# Altium PCB host_board.PcbDoc (part 3 of 8) (continued)
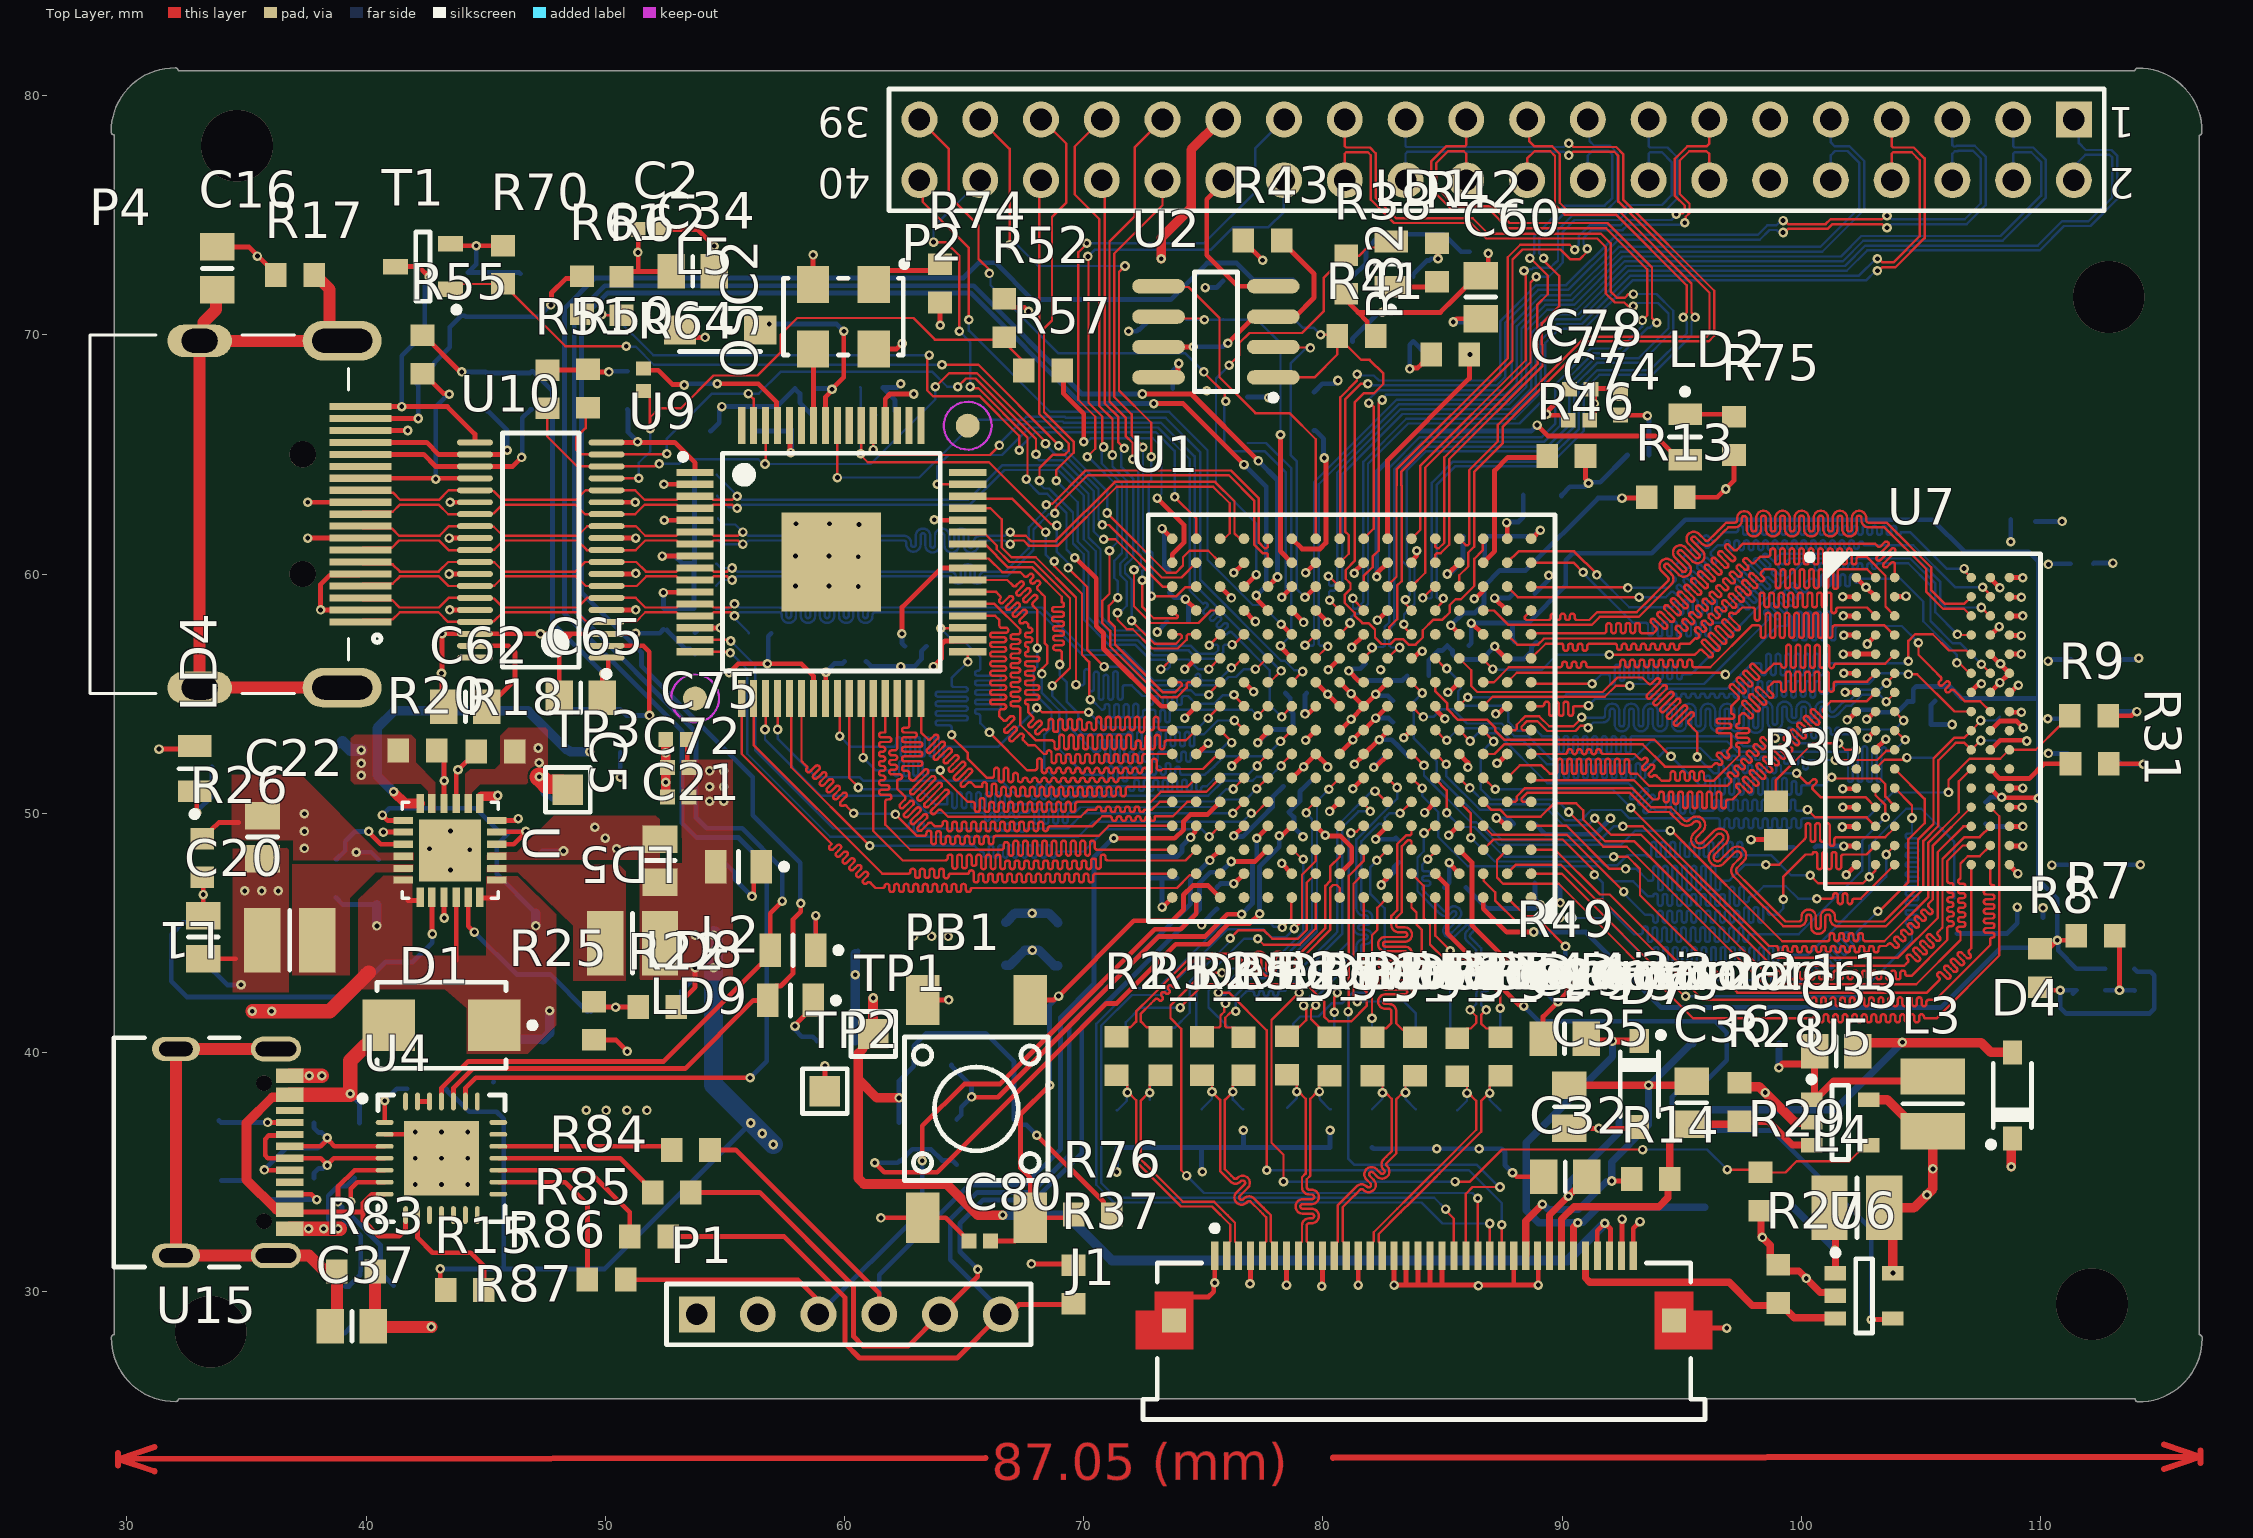
[diagram p0: Top Layer view]
## Nets (pads, with @x,y where several pads share a name; then routed paths per layer and width w, separated by ;. In a path a pad name is that pad's centre, name@x,y a point inside that pad or via, vN(x,y) a via of type N, cw(c..) or ccw(c..) an arc to the next point about the centre after c; other vN are vias at no path point) (continued)
DDR_A14: U1.F5 U7.T7 | length 34.9
  Top Layer w0.1: U1.F5@84.7,51.475 84.7,51.425 85.171,50.954 v1(85.171,50.011) ; v1(92.15,48.18) 92.74,48.18 93.254,47.666 93.254,46.571 97.325,42.5 105.251,42.5 105.75,43 ccw(c105.68,43.07) 105.75,43.141 105.71,43.181 cw(c105.781,43.252) 105.71,43.322 cw(c105.781,43.252) 105.852,43.322 105.962,43.212 106.066,43.108 ccw(c106.137,43.179) 106.207,43.108 ccw(c106.137,43.179) 106.207,43.25 106.104,43.353 105.993,43.464 cw(c106.064,43.534) 105.993,43.605 cw(c106.064,43.534) 106.135,43.605 106.245,43.495 106.349,43.391 ccw(c106.419,43.462) 106.49,43.391 ccw(c106.419,43.462) 106.49,43.533 106.387,43.636 106.276,43.747 cw(c106.347,43.817) 106.276,43.888 cw(c106.347,43.817) 106.418,43.888 106.528,43.778 106.632,43.674 ccw(c106.702,43.745) 106.773,43.674 ccw(c106.702,43.745) 106.773,43.816 106.67,43.919 106.559,44.029 cw(c106.63,44.1) 106.559,44.171 cw(c106.63,44.1) 106.7,44.171 106.811,44.06 106.914,43.957 ccw(c106.985,44.028) 107.056,43.957 ccw(c106.985,44.028) 107.056,44.098 107.023,44.131 cw(c107.094,44.202) 107.023,44.273 107.04,44.29 107.1,44.349 U7.T7@107.1,47.85
  Bottom Layer w0.1: v1(85.171,50.011) 85.757,49.425 86.335,49.425 87.58,48.18 v1(92.15,48.18)
DDR_BA0: U1.C3 U7.M2 | length 34.9
  Top Layer w0.1: U1.C3@86.7,48.475 87.125,48.9 90.025,48.9 91.35,47.575 v1(91.35,47.43) ; U7.M2@103.1,51.05 103.1,50.75 103.513,50.337 v1(103.513,49.825)
  Bottom Layer w0.1: v1(91.35,47.43) 91.7,47.08 91.7,46.25 93.009,44.941 93.275,44.941 ccw(c93.275,45.041) 93.375,45.041 93.375,45.166 cw(c93.475,45.166) 93.475,45.266 cw(c93.475,45.166) 93.575,45.166 93.575,44.941 93.575,44.716 ccw(c93.675,44.716) 93.675,44.616 ccw(c93.675,44.716) 93.775,44.716 93.775,44.941 93.775,45.126 cw(c93.875,45.126) 93.875,45.226 cw(c93.875,45.126) 93.975,45.126 93.975,44.941 93.975,44.716 ccw(c94.075,44.716) 94.075,44.616 ccw(c94.075,44.716) 94.175,44.716 94.175,44.941 94.175,45.126 cw(c94.275,45.126) 94.275,45.226 cw(c94.275,45.126) 94.375,45.126 94.375,44.941 94.375,44.716 ccw(c94.475,44.716) 94.475,44.616 ccw(c94.475,44.716) 94.575,44.716 94.575,44.941 94.575,45.126 cw(c94.675,45.126) 94.675,45.226 cw(c94.675,45.126) 94.775,45.126 94.775,44.941 94.775,44.716 ccw(c94.875,44.716) 94.875,44.616 ccw(c94.875,44.716) 94.975,44.716 94.975,44.941 94.975,45.126 cw(c95.075,45.126) 95.075,45.226 cw(c95.075,45.126) 95.175,45.126 95.175,44.941 95.175,44.716 ccw(c95.275,44.716) 95.275,44.616 ccw(c95.275,44.716) 95.375,44.716 95.375,44.941 95.375,45.126 cw(c95.475,45.126) 95.475,45.226 cw(c95.475,45.126) 95.575,45.126 95.575,44.941 95.575,44.716 ccw(c95.675,44.716) 95.675,44.616 ccw(c95.675,44.716) 95.775,44.716 95.775,44.941 95.775,45.126 cw(c95.875,45.126) 95.875,45.226 cw(c95.875,45.126) 95.975,45.126 95.975,44.941 95.975,44.716 ccw(c96.075,44.716) 96.075,44.616 ccw(c96.075,44.716) 96.175,44.716 96.175,44.941 96.175,45.126 cw(c96.275,45.126) 96.275,45.226 cw(c96.275,45.126) 96.375,45.126 96.375,44.941 96.375,44.716 ccw(c96.475,44.716) 96.475,44.616 ccw(c96.475,44.716) 96.575,44.716 96.575,44.941 96.575,45.126 cw(c96.675,45.126) 96.675,45.226 cw(c96.675,45.126) 96.775,45.126 96.775,44.941 96.775,44.716 ccw(c96.875,44.716) 96.875,44.616 ccw(c96.875,44.716) 96.975,44.716 96.975,44.941 96.975,45.126 cw(c97.075,45.126) 97.075,45.226 cw(c97.075,45.126) 97.175,45.126 97.175,44.941 97.175,44.716 ccw(c97.275,44.716) 97.275,44.616 ccw(c97.275,44.716) 97.375,44.716 97.375,44.941 97.375,45.126 cw(c97.475,45.126) 97.475,45.226 cw(c97.475,45.126) 97.575,45.126 97.575,44.941 97.575,44.716 ccw(c97.675,44.716) 97.675,44.616 ccw(c97.675,44.716) 97.775,44.716 97.775,44.841 cw(c97.875,44.841) 97.875,44.941 97.92,44.941 99.886,44.941 102.544,47.599 102.544,48.856 v1(103.513,49.825)
DDR_BA1: U1.C2 U7.N8 | length 38
  Top Layer w0.1: U1.C2@87.7,48.475 87.275,48.05 87.275,47.308 87.531,47.052 89.854,47.052 95.481,41.425 100.425,41.425 100.456,41.425 ccw(c100.456,41.494) 100.525,41.494 cw(c100.625,41.494) 100.625,41.594 cw(c100.625,41.494) 100.725,41.494 100.725,41.425 100.725,41.356 ccw(c100.825,41.356) 100.825,41.256 ccw(c100.825,41.356) 100.925,41.356 100.925,41.425 100.925,41.494 cw(c101.025,41.494) 101.025,41.594 cw(c101.025,41.494) 101.125,41.494 101.125,41.425 101.125,41.356 ccw(c101.225,41.356) 101.225,41.256 ccw(c101.225,41.356) 101.325,41.356 101.325,41.425 101.325,41.494 cw(c101.425,41.494) 101.425,41.594 cw(c101.425,41.494) 101.525,41.494 101.525,41.425 101.525,41.356 ccw(c101.625,41.356) 101.625,41.256 ccw(c101.625,41.356) 101.725,41.356 101.725,41.425 101.725,41.494 cw(c101.825,41.494) 101.825,41.594 cw(c101.825,41.494) 101.925,41.494 101.925,41.425 101.925,41.356 ccw(c102.025,41.356) 102.025,41.256 ccw(c102.025,41.356) 102.125,41.356 102.125,41.425 102.125,41.494 cw(c102.225,41.494) 102.225,41.594 cw(c102.225,41.494) 102.325,41.494 102.325,41.425 102.325,41.356 ccw(c102.425,41.356) 102.425,41.256 ccw(c102.425,41.356) 102.525,41.356 102.525,41.425 102.525,41.494 cw(c102.625,41.494) 102.625,41.594 cw(c102.625,41.494) 102.725,41.494 102.725,41.425 102.725,41.356 ccw(c102.825,41.356) 102.825,41.256 ccw(c102.825,41.356) 102.925,41.356 102.925,41.425 102.925,41.494 cw(c103.025,41.494) 103.025,41.594 cw(c103.025,41.494) 103.125,41.494 103.125,41.425 103.125,41.356 ccw(c103.225,41.356) 103.225,41.256 ccw(c103.225,41.356) 103.325,41.356 103.325,41.425 103.325,41.494 cw(c103.425,41.494) 103.425,41.594 cw(c103.425,41.494) 103.525,41.494 103.525,41.425 103.525,41.356 ccw(c103.625,41.356) 103.625,41.256 ccw(c103.625,41.356) 103.725,41.356 103.725,41.425 103.725,41.494 cw(c103.825,41.494) 103.825,41.594 cw(c103.825,41.494) 103.925,41.494 103.925,41.425 103.925,41.356 ccw(c104.025,41.356) 104.025,41.256 ccw(c104.025,41.356) 104.125,41.356 104.125,41.425 104.125,41.494 cw(c104.225,41.494) 104.225,41.594 cw(c104.225,41.494) 104.325,41.494 104.325,41.425 104.325,41.356 ccw(c104.425,41.356) 104.425,41.256 ccw(c104.425,41.356) 104.525,41.356 104.525,41.425 104.525,41.494 cw(c104.625,41.494) 104.625,41.594 cw(c104.625,41.494) 104.725,41.494 104.725,41.425 104.725,41.356 ccw(c104.825,41.356) 104.825,41.256 ccw(c104.825,41.356) 104.925,41.356 104.925,41.425 104.925,41.494 cw(c105.025,41.494) 105.025,41.594 cw(c105.025,41.494) 105.125,41.494 ccw(c105.194,41.494) 105.194,41.425 105.325,41.425 105.35,41.425 105.65,41.425 108.275,44.05 108.275,49.875 U7.N8@107.9,50.25
DDR_BA2: U1.B1 U7.M3 | length 34.2
  Top Layer w0.1: U1.B1@88.7,47.475 89.98,47.475 95.105,42.35 v1(95.161,42.35) ; U7.M3@103.9,51.05 104.625,50.325 v1(104.625,49.8)
  Bottom Layer w0.1: v1(95.161,42.35) 102.3,42.35 104.625,44.675 104.625,45.25 ccw(c104.525,45.25) 104.525,45.35 104.456,45.35 cw(c104.456,45.45) 104.356,45.45 cw(c104.456,45.45) 104.456,45.55 104.625,45.55 104.794,45.55 ccw(c104.794,45.65) 104.894,45.65 ccw(c104.794,45.65) 104.794,45.75 104.625,45.75 104.456,45.75 cw(c104.456,45.85) 104.356,45.85 cw(c104.456,45.85) 104.456,45.95 104.625,45.95 104.794,45.95 ccw(c104.794,46.05) 104.894,46.05 ccw(c104.794,46.05) 104.794,46.15 104.625,46.15 104.456,46.15 cw(c104.456,46.25) 104.356,46.25 cw(c104.456,46.25) 104.456,46.35 104.625,46.35 104.794,46.35 ccw(c104.794,46.45) 104.894,46.45 ccw(c104.794,46.45) 104.794,46.55 104.625,46.55 104.456,46.55 cw(c104.456,46.65) 104.356,46.65 cw(c104.456,46.65) 104.456,46.75 104.625,46.75 104.794,46.75 ccw(c104.794,46.85) 104.894,46.85 ccw(c104.794,46.85) 104.794,46.95 104.625,46.95 104.456,46.95 cw(c104.456,47.05) 104.356,47.05 cw(c104.456,47.05) 104.456,47.15 104.625,47.15 104.794,47.15 ccw(c104.794,47.25) 104.894,47.25 ccw(c104.794,47.25) 104.794,47.35 104.625,47.35 104.456,47.35 cw(c104.456,47.45) 104.356,47.45 cw(c104.456,47.45) 104.456,47.55 104.625,47.55 104.794,47.55 ccw(c104.794,47.65) 104.894,47.65 ccw(c104.794,47.65) 104.794,47.75 104.625,47.75 104.456,47.75 cw(c104.456,47.85) 104.356,47.85 cw(c104.456,47.85) 104.456,47.95 104.625,47.95 104.794,47.95 ccw(c104.794,48.05) 104.894,48.05 ccw(c104.794,48.05) 104.794,48.15 104.625,48.15 104.456,48.15 cw(c104.456,48.25) 104.356,48.25 cw(c104.456,48.25) 104.456,48.35 104.625,48.35 104.794,48.35 ccw(c104.794,48.45) 104.894,48.45 ccw(c104.794,48.45) 104.794,48.55 104.625,48.55 104.456,48.55 cw(c104.456,48.65) 104.356,48.65 cw(c104.456,48.65) 104.456,48.75 104.625,48.75 104.794,48.75 ccw(c104.794,48.85) 104.894,48.85 ccw(c104.794,48.85) 104.794,48.95 104.625,48.95 104.456,48.95 cw(c104.456,49.05) 104.356,49.05 cw(c104.456,49.05) 104.456,49.15 104.565,49.15 ccw(c104.565,49.21) 104.625,49.21 v1(104.625,49.8)
DDR_CAS: U1.H5 U7.K3 | length 34.6
  Top Layer w0.1: U1.H5@84.7,53.475 85.125,53.05 v1(85.175,53.05) ; v1(101.425,52.225) 103.17,52.225 103.55,52.605 103.855,52.605 U7.K3@103.9,52.65
  Bottom Layer w0.1: v1(85.175,53.05) 85.675,53.55 87.359,53.55 87.884,53.025 88.387,53.025 89.323,52.089 89.362,52.05 89.573,52.05 cw(c89.573,51.95) 89.673,51.95 89.673,51.55 ccw(c89.773,51.55) 89.873,51.55 89.873,51.95 cw(c89.973,51.95) 90.073,51.95 90.073,51.55 ccw(c90.173,51.55) 90.273,51.55 90.273,51.95 cw(c90.373,51.95) 90.473,51.95 90.473,51.55 ccw(c90.573,51.55) 90.673,51.55 90.673,51.95 cw(c90.773,51.95) 90.873,51.95 90.873,51.55 ccw(c90.973,51.55) 91.073,51.55 91.073,51.95 cw(c91.173,51.95) 91.273,51.95 91.273,51.55 ccw(c91.373,51.55) 91.473,51.55 91.473,51.95 cw(c91.573,51.95) 91.673,51.95 91.673,51.55 ccw(c91.773,51.55) 91.873,51.55 91.873,51.95 cw(c91.973,51.95) 92.073,51.95 92.073,51.55 ccw(c92.173,51.55) 92.273,51.55 92.273,51.95 cw(c92.373,51.95) 92.473,51.95 92.473,51.55 ccw(c92.573,51.55) 92.673,51.55 92.673,51.95 cw(c92.773,51.95) 92.873,51.95 92.873,51.544 ccw(c92.973,51.544) 93.073,51.544 93.073,51.991 cw(c93.173,51.991) 93.273,51.991 93.273,51.544 ccw(c93.373,51.544) 93.473,51.544 93.473,51.95 cw(c93.573,51.95) 93.573,52.05 93.73,52.05 93.947,52.266 94.405,52.725 95.77,52.725 96.197,52.297 96.199,52.296 96.27,52.225 96.275,52.225 96.475,52.225 96.575,52.225 ccw(c96.575,52.325) 96.675,52.325 96.675,52.525 cw(c96.775,52.525) 96.775,52.625 cw(c96.775,52.525) 96.875,52.525 96.875,52.325 ccw(c96.975,52.325) 96.975,52.225 96.986,52.225 ccw(c96.986,52.314) 97.075,52.314 cw(c97.175,52.314) 97.175,52.414 cw(c97.175,52.314) 97.275,52.314 ccw(c97.364,52.314) 97.364,52.225 97.425,52.225 ccw(c97.425,52.275) 97.475,52.275 cw(c97.575,52.275) 97.575,52.375 cw(c97.575,52.275) 97.675,52.275 ccw(c97.725,52.275) 97.725,52.225 97.825,52.225 ccw(c97.825,52.275) 97.875,52.275 cw(c97.975,52.275) 97.975,52.375 cw(c97.975,52.275) 98.075,52.275 ccw(c98.125,52.275) 98.125,52.225 98.225,52.225 ccw(c98.225,52.275) 98.275,52.275 cw(c98.375,52.275) 98.375,52.375 cw(c98.375,52.275) 98.475,52.275 ccw(c98.525,52.275) 98.525,52.225 98.625,52.225 ccw(c98.625,52.275) 98.675,52.275 cw(c98.775,52.275) 98.775,52.375 cw(c98.775,52.275) 98.875,52.275 ccw(c98.925,52.275) 98.925,52.225 99.025,52.225 ccw(c99.025,52.275) 99.075,52.275 cw(c99.175,52.275) 99.175,52.375 cw(c99.175,52.275) 99.275,52.275 99.275,52.225 99.275,52.158 ccw(c99.375,52.158) 99.375,52.058 ccw(c99.375,52.158) 99.475,52.158 99.475,52.225 99.475,52.275 cw(c99.575,52.275) 99.575,52.375 cw(c99.575,52.275) 99.675,52.275 99.675,52.225 99.675,52.124 ccw(c99.775,52.124) 99.775,52.024 ccw(c99.775,52.124) 99.875,52.124 99.875,52.225 99.875,52.275 cw(c99.975,52.275) 99.975,52.375 cw(c99.975,52.275) 100.075,52.275 100.075,52.225 100.075,51.925 ccw(c100.175,51.925) 100.175,51.825 ccw(c100.175,51.925) 100.275,51.925 100.275,52.125 cw(c100.375,52.125) 100.375,52.225 v1(101.425,52.225)
DDR_CKE: R9.2 U1.F4 U7.K9 | length 34.6
  Top Layer w0.1: U1.F4@85.7,51.475 86.119,51.056 v1(86.144,51.056) ; v1(106.15,50.868) 106.15,51.395 107.03,52.275 108.313,52.275 108.687,52.65 109.8,52.65 110.775,53.625 110.825,53.625 111.225,54.025 R9.2@111.225,54.075
  Bottom Layer w0.1: v1(86.144,51.056) 86.825,50.375 89.455,50.375 90.13,49.7 90.781,49.7 91.215,50.134 92.471,50.134 92.821,49.784 96.288,49.784 96.388,49.784 96.488,49.784 cw(c96.488,49.684) 96.588,49.684 96.588,49.47 ccw(c96.688,49.47) 96.688,49.37 ccw(c96.688,49.47) 96.788,49.47 96.788,49.684 cw(c96.888,49.684) 96.888,49.784 cw(c96.888,49.684) 96.988,49.684 96.988,49.47 ccw(c97.088,49.47) 97.088,49.37 ccw(c97.088,49.47) 97.188,49.47 97.188,49.684 cw(c97.288,49.684) 97.288,49.784 cw(c97.288,49.684) 97.388,49.684 97.388,49.47 ccw(c97.488,49.47) 97.488,49.37 ccw(c97.488,49.47) 97.588,49.47 97.588,49.684 cw(c97.688,49.684) 97.688,49.784 cw(c97.688,49.684) 97.788,49.684 97.788,49.47 ccw(c97.888,49.47) 97.888,49.37 ccw(c97.888,49.47) 97.988,49.47 97.988,49.684 cw(c98.088,49.684) 98.088,49.784 cw(c98.088,49.684) 98.188,49.684 98.188,49.47 ccw(c98.288,49.47) 98.288,49.37 ccw(c98.288,49.47) 98.388,49.47 98.388,49.684 cw(c98.488,49.684) 98.488,49.784 cw(c98.488,49.684) 98.588,49.684 98.588,49.47 ccw(c98.688,49.47) 98.688,49.37 ccw(c98.688,49.47) 98.788,49.47 98.788,49.684 cw(c98.888,49.684) 98.888,49.784 cw(c98.888,49.684) 98.988,49.684 98.988,49.47 ccw(c99.088,49.47) 99.088,49.37 ccw(c99.088,49.47) 99.188,49.47 99.188,49.684 cw(c99.288,49.684) 99.288,49.784 cw(c99.288,49.684) 99.388,49.684 99.388,49.47 ccw(c99.488,49.47) 99.488,49.37 ccw(c99.488,49.47) 99.588,49.47 99.588,49.684 cw(c99.688,49.684) 99.688,49.784 cw(c99.688,49.684) 99.788,49.684 99.788,49.47 ccw(c99.888,49.47) 99.888,49.37 ccw(c99.888,49.47) 99.988,49.47 99.988,49.684 cw(c100.088,49.684) 100.088,49.784 100.188,49.784 100.388,49.784 100.42,49.784 102.734,49.784 103.818,50.868 v1(106.15,50.868)
DDR_CLK_N: R12.1 U1.E1 U7.K7 | length 35.7
  Top Layer w0.1: U1.E1@88.7,50.475 88.359,50.475 88.3,50.534 88.3,50.616 88.534,50.85 90.355,50.85 90.955,50.85 91.525,50.85 92.83,50.85 93.63,50.05 94.475,50.05 94.576,49.949 94.841,49.684 94.947,49.578 ccw(c95.204,49.834) 95.461,49.578 95.5,49.617 cw(c95.614,49.502) 95.729,49.617 ; 95.494,49.152 ccw(c95.75,48.895) 95.494,48.639 ccw(c95.75,48.895) 96.007,48.639 96.469,49.102 cw(c96.584,48.986) 96.698,49.102 ; 95.495,49.152 95.729,49.386 ccw(c95.614,49.502) 95.73,49.616 ; 96.699,49.101 cw(c96.584,48.986) 96.698,48.871 96.237,48.41 ccw(c96.493,48.153) 96.236,47.897 ccw(c96.493,48.153) 96.749,47.897 97.212,48.359 cw(c97.326,48.244) 97.44,48.359 ; 97.44,48.128 97.175,47.863 ccw(c97.431,47.606) 97.176,47.349 97.691,46.834 99.25,45.275 99.755,45.275 99.905,45.275 ccw(c99.905,45.575) 100.205,45.575 100.205,45.668 cw(c100.305,45.668) 100.405,45.668 100.405,45.258 ccw(c100.705,45.258) 101.005,45.258 101.005,45.668 cw(c101.105,45.668) 101.205,45.668 101.205,45.575 ccw(c101.505,45.575) 101.505,45.275 102.12,45.275 103.533,45.275 105.1,46.842 105.1,48.842 105.725,49.467 105.725,51.693 105.725,52.208 106.341,52.823 106.467,52.95 106.8,52.95 U7.K7@107.1,52.65 107.115,52.65 107.495,53.03 v1@107.51,53.03 ; 97.441,48.129 ccw(c97.326,48.244) 97.442,48.358
  Bottom Layer w0.1: v1(107.5,53.04) 108.105,53.04 108.17,52.975 R12.1@108.3,53.105
DDR_CLK_P: R12.2 U1.E2 U7.J7 | length 36
  Top Layer w0.1: U1.E2@87.71,50.475 88.041,50.475 88.1,50.534 88.1,50.699 88.451,51.05 89.905,51.05 90.405,51.05 92.913,51.05 93.713,50.25 94.558,50.25 94.983,49.825 95.088,49.719 ccw(c95.204,49.834) 95.319,49.719 ; 95.319,49.72 95.357,49.757 ; 95.358,49.758 cw(c95.614,49.502) 95.871,49.758 cw(c95.614,49.502) 95.871,49.246 95.635,49.01 ccw(c95.75,48.895) 95.635,48.781 ; 95.636,48.78 ccw(c95.75,48.895) 95.865,48.781 96.327,49.242 cw(c96.584,48.986) 96.84,49.243 cw(c96.584,48.986) 96.84,48.73 96.377,48.267 ccw(c96.493,48.153) 96.377,48.038 ccw(c96.493,48.153) 96.608,48.038 ; 96.608,48.039 97.069,48.499 ; 97.069,48.5 cw(c97.326,48.244) 97.582,48.5 cw(c97.326,48.244) 97.582,47.987 97.317,47.722 ccw(c97.431,47.606) 97.317,47.491 97.832,46.976 99.333,45.475 99.755,45.475 99.905,45.475 ccw(c99.905,45.575) 100.005,45.575 100.005,45.668 cw(c100.305,45.668) 100.605,45.668 100.605,45.258 ccw(c100.705,45.258) 100.805,45.258 100.805,45.668 cw(c101.105,45.668) 101.405,45.668 101.405,45.575 ccw(c101.505,45.575) 101.505,45.475 102.12,45.475 103.45,45.475 104.875,46.9 104.875,48.9 105.525,49.55 105.525,52.291 106.384,53.15 106.8,53.15 U7.J7@107.1,53.45 v1@107.5,53.85
  Bottom Layer w0.1: v1(107.49,53.875) 108.13,53.875 R12.2@108.3,54.045
DDR_CS: R10.2 U7.L2 | length 2.5
  Top Layer w0.1: U7.L2@103.1,51.85 103.1,51.857 103.483,52.24 104.375,52.24 v1@104.41,52.275
  Bottom Layer w0.1: v1(104.41,52.325) R10.2@105.457,52.325
DDR_D0: U1.G3 U7.E3 | length 37.6
  Top Layer w0.1: U1.G3@86.7,52.475 87.17,52.475 87.57,52.875 93.368,52.875 94.293,51.95 96.25,51.95 96.35,52.05 96.368,52.068 cw(c96.439,51.998) 96.51,52.068 96.527,52.051 ccw(c96.598,52.121) 96.669,52.051 ccw(c96.598,52.121) 96.669,52.192 96.581,52.281 96.492,52.369 cw(c96.563,52.44) 96.492,52.51 cw(c96.563,52.44) 96.634,52.51 96.722,52.422 96.81,52.334 ccw(c96.881,52.404) 96.952,52.334 ccw(c96.881,52.404) 96.952,52.475 96.934,52.493 cw(c97.005,52.563) 96.934,52.634 97.063,52.763 97.075,52.775 97.075,52.95 97.075,53.15 97.075,53.25 ccw(c96.975,53.25) 96.975,53.35 96.55,53.35 cw(c96.55,53.45) 96.45,53.45 cw(c96.55,53.45) 96.55,53.55 96.975,53.55 ccw(c96.975,53.65) 97.075,53.65 ccw(c96.975,53.65) 96.975,53.75 96.55,53.75 cw(c96.55,53.85) 96.45,53.85 cw(c96.55,53.85) 96.55,53.95 97.075,53.95 97.1,53.95 ccw(c97.1,54.05) 97.2,54.05 ccw(c97.1,54.05) 97.1,54.15 cw(c97.1,54.175) 97.075,54.175 97.075,54.25 97.075,54.475 97.146,54.546 97.287,54.687 97.358,54.758 ccw(c97.287,54.829) 97.358,54.899 97.035,55.222 cw(c97.105,55.293) 97.035,55.364 cw(c97.105,55.293) 97.176,55.364 97.499,55.041 ccw(c97.57,55.111) 97.641,55.041 ccw(c97.57,55.111) 97.641,55.182 97.317,55.505 cw(c97.388,55.576) 97.317,55.647 cw(c97.388,55.576) 97.459,55.647 97.782,55.324 ccw(c97.853,55.394) 97.924,55.324 ccw(c97.853,55.394) 97.924,55.465 97.6,55.788 cw(c97.671,55.859) 97.6,55.93 cw(c97.671,55.859) 97.742,55.93 98.065,55.606 ccw(c98.136,55.677) 98.206,55.606 ccw(c98.136,55.677) 98.206,55.748 97.883,56.071 cw(c97.954,56.142) 97.883,56.212 cw(c97.954,56.142) 98.025,56.212 98.348,55.889 ccw(c98.419,55.96) 98.489,55.889 98.56,55.96 98.609,56.009 98.85,56.25 98.863,56.25 98.963,56.25 99.091,56.25 cw(c99.091,56.178) 99.163,56.178 ccw(c99.263,56.178) 99.263,56.078 ccw(c99.263,56.178) 99.363,56.178 99.363,56.25 99.363,56.94 cw(c99.463,56.94) 99.463,57.04 cw(c99.463,56.94) 99.563,56.94 99.563,56.25 99.563,56.178 ccw(c99.663,56.178) 99.663,56.078 ccw(c99.663,56.178) 99.763,56.178 99.763,56.25 99.763,56.94 cw(c99.863,56.94) 99.863,57.04 cw(c99.863,56.94) 99.963,56.94 99.963,56.25 99.963,56.178 ccw(c100.063,56.178) 100.063,56.078 ccw(c100.063,56.178) 100.163,56.178 100.163,56.25 100.163,56.94 cw(c100.263,56.94) 100.263,57.04 cw(c100.263,56.94) 100.363,56.94 100.363,56.25 100.363,56.178 ccw(c100.463,56.178) 100.463,56.078 ccw(c100.463,56.178) 100.563,56.178 100.563,56.25 100.563,56.94 cw(c100.663,56.94) 100.663,57.04 cw(c100.663,56.94) 100.763,56.94 100.763,56.25 100.763,56.178 ccw(c100.863,56.178) 100.863,56.078 ccw(c100.863,56.178) 100.963,56.178 100.963,56.25 100.963,56.94 cw(c101.063,56.94) 101.063,57.04 cw(c101.063,56.94) 101.163,56.94 101.163,56.25 101.163,56.164 ccw(c101.263,56.164) 101.263,56.064 ccw(c101.263,56.164) 101.363,56.164 cw(c101.449,56.164) 101.449,56.25 101.5,56.25 103.5,56.25 U7.E3@103.9,56.65
DDR_D1: U1.J3 U7.F7 | length 34.3
  Top Layer w0.1: U1.J3@86.7,54.475 87.091,54.866 91.782,54.866 92.241,55.325 v1(92.825,55.325) ; v1(106.5,56.284) 106.557,56.226 106.649,56.226 107.025,55.85 U7.F7@107.1,55.85
  Bottom Layer w0.1: v1(92.825,55.325) 92.9,55.4 95.93,55.4 98.615,58.085 ccw(c98.57,58.13) 98.615,58.176 98.465,58.326 cw(c98.536,58.397) 98.465,58.467 cw(c98.536,58.397) 98.606,58.467 98.802,58.272 98.944,58.13 ccw(c99.015,58.201) 99.085,58.13 ccw(c99.015,58.201) 99.085,58.271 98.943,58.413 98.748,58.609 cw(c98.819,58.68) 98.748,58.75 cw(c98.819,58.68) 98.889,58.75 99.085,58.555 99.227,58.413 ccw(c99.297,58.484) 99.368,58.413 ccw(c99.297,58.484) 99.368,58.554 99.226,58.696 99.031,58.892 cw(c99.101,58.962) 99.031,59.033 cw(c99.101,58.962) 99.172,59.033 99.368,58.838 99.51,58.696 ccw(c99.58,58.766) 99.651,58.696 ccw(c99.58,58.766) 99.651,58.837 99.509,58.979 99.314,59.175 cw(c99.384,59.245) 99.314,59.316 cw(c99.384,59.245) 99.455,59.316 99.65,59.12 99.792,58.978 ccw(c99.863,59.049) 99.934,58.978 ccw(c99.863,59.049) 99.934,59.12 99.792,59.262 99.596,59.457 cw(c99.667,59.528) 99.596,59.599 cw(c99.667,59.528) 99.738,59.599 99.933,59.403 100.075,59.261 ccw(c100.146,59.332) 100.217,59.261 ccw(c100.146,59.332) 100.217,59.403 100.145,59.474 cw(c100.216,59.545) 100.145,59.615 100.33,59.8 100.43,59.8 100.53,59.8 cw(c100.53,59.7) 100.63,59.7 100.63,59.583 ccw(c100.73,59.583) 100.73,59.483 ccw(c100.73,59.583) 100.83,59.583 100.83,59.8 100.83,59.888 cw(c100.93,59.888) 100.93,59.988 cw(c100.93,59.888) 101.03,59.888 101.03,59.8 101.03,59.583 ccw(c101.13,59.583) 101.13,59.483 ccw(c101.13,59.583) 101.23,59.583 101.23,59.8 101.23,59.888 cw(c101.33,59.888) 101.33,59.988 cw(c101.33,59.888) 101.43,59.888 101.43,59.8 101.43,59.583 ccw(c101.53,59.583) 101.53,59.483 ccw(c101.53,59.583) 101.63,59.583 101.63,59.8 101.63,59.888 cw(c101.73,59.888) 101.73,59.988 cw(c101.73,59.888) 101.83,59.888 101.83,59.8 101.83,59.583 ccw(c101.93,59.583) 101.93,59.483 ccw(c101.93,59.583) 102.03,59.583 102.03,59.8 102.03,59.888 cw(c102.13,59.888) 102.13,59.988 cw(c102.13,59.888) 102.23,59.888 102.23,59.8 102.23,59.725 ccw(c102.33,59.725) 102.33,59.625 ccw(c102.33,59.725) 102.43,59.725 102.43,59.706 cw(c102.524,59.706) 102.524,59.8 102.63,59.8 102.652,59.8 104.145,59.8 105.096,58.849 105.096,58.023 106.5,56.618 v1(106.5,56.284)
DDR_D2: U1.G1 U7.F2 | length 37.5
  Top Layer w0.1: U1.G1@88.7,52.475 90.07,52.475 90.12,52.475 ccw(c90.12,52.575) 90.22,52.575 cw(c90.32,52.575) 90.42,52.575 90.42,52.569 ccw(c90.52,52.569) 90.62,52.569 90.62,52.575 cw(c90.72,52.575) 90.82,52.575 90.82,52.569 ccw(c90.92,52.569) 91.02,52.569 91.02,52.575 cw(c91.12,52.575) 91.22,52.575 91.22,52.569 ccw(c91.32,52.569) 91.42,52.569 91.42,52.575 cw(c91.52,52.575) 91.62,52.575 ccw(c91.72,52.575) 91.72,52.475 92.175,52.475 93.037,52.475 93.181,52.331 93.243,52.27 ccw(c93.314,52.34) 93.384,52.27 93.402,52.287 cw(c93.473,52.217) 93.543,52.287 cw(c93.473,52.217) 93.543,52.146 93.455,52.057 93.367,51.969 ccw(c93.437,51.898) 93.367,51.828 ccw(c93.437,51.898) 93.508,51.828 93.596,51.916 93.685,52.004 cw(c93.756,51.934) 93.826,52.004 cw(c93.756,51.934) 93.826,51.863 93.738,51.775 93.649,51.686 ccw(c93.72,51.616) 93.649,51.545 ccw(c93.72,51.616) 93.791,51.545 93.809,51.562 cw(c93.879,51.492) 93.95,51.562 94.056,51.456 94.162,51.35 94.378,51.35 94.428,51.35 ccw(c94.428,51.45) 94.528,51.45 94.528,51.65 cw(c94.628,51.65) 94.728,51.65 94.728,51.45 ccw(c94.828,51.45) 94.928,51.45 94.928,51.65 cw(c95.028,51.65) 95.128,51.65 95.128,51.45 ccw(c95.228,51.45) 95.328,51.45 95.328,51.65 cw(c95.428,51.65) 95.528,51.65 95.528,51.45 ccw(c95.628,51.45) 95.728,51.45 95.728,51.65 cw(c95.828,51.65) 95.928,51.65 95.928,51.45 ccw(c96.028,51.45) 96.028,51.35 96.225,51.35 96.261,51.35 96.325,51.35 97.4,52.425 97.4,52.55 97.4,52.725 ccw(c97.375,52.725) 97.375,52.75 cw(c97.375,52.85) 97.275,52.85 cw(c97.375,52.85) 97.375,52.95 97.4,52.95 97.725,52.95 ccw(c97.725,53.05) 97.825,53.05 ccw(c97.725,53.05) 97.725,53.15 97.4,53.15 97.375,53.15 cw(c97.375,53.25) 97.275,53.25 cw(c97.375,53.25) 97.375,53.35 97.4,53.35 97.725,53.35 ccw(c97.725,53.45) 97.825,53.45 ccw(c97.725,53.45) 97.725,53.55 97.4,53.55 97.375,53.55 cw(c97.375,53.65) 97.275,53.65 cw(c97.375,53.65) 97.375,53.75 ccw(c97.375,53.775) 97.4,53.775 97.4,53.95 97.4,54.05 97.435,54.085 97.506,54.156 cw(c97.577,54.085) 97.648,54.156 97.807,53.997 ccw(c97.877,54.068) 97.948,53.997 ccw(c97.877,54.068) 97.948,54.138 97.718,54.368 97.555,54.531 cw(c97.626,54.602) 97.555,54.673 cw(c97.626,54.602) 97.697,54.673 97.86,54.51 98.089,54.28 ccw(c98.16,54.351) 98.231,54.28 ccw(c98.16,54.351) 98.231,54.421 98.001,54.651 97.838,54.814 cw(c97.909,54.885) 97.838,54.955 cw(c97.909,54.885) 97.98,54.955 98.143,54.793 98.372,54.563 ccw(c98.443,54.633) 98.514,54.563 ccw(c98.443,54.633) 98.514,54.704 98.284,54.934 98.121,55.097 cw(c98.192,55.168) 98.121,55.238 cw(c98.192,55.168) 98.262,55.238 98.425,55.075 98.655,54.846 ccw(c98.726,54.916) 98.797,54.846 ccw(c98.726,54.916) 98.797,54.987 98.637,55.146 cw(c98.708,55.217) 98.637,55.287 98.787,55.437 98.85,55.5 98.95,55.5 99.05,55.5 cw(c99.05,55.4) 99.15,55.4 99.15,55.175 ccw(c99.25,55.175) 99.25,55.075 ccw(c99.25,55.175) 99.35,55.175 99.35,55.5 99.35,55.825 cw(c99.45,55.825) 99.45,55.925 cw(c99.45,55.825) 99.55,55.825 99.55,55.5 99.55,55.175 ccw(c99.65,55.175) 99.65,55.075 ccw(c99.65,55.175) 99.75,55.175 99.75,55.5 99.75,55.825 cw(c99.85,55.825) 99.85,55.925 cw(c99.85,55.825) 99.95,55.825 99.95,55.5 99.95,55.175 ccw(c100.05,55.175) 100.05,55.075 ccw(c100.05,55.175) 100.15,55.175 100.15,55.5 100.15,55.825 cw(c100.25,55.825) 100.25,55.925 cw(c100.25,55.825) 100.35,55.825 100.35,55.5 100.35,55.175 ccw(c100.45,55.175) 100.45,55.075 ccw(c100.45,55.175) 100.55,55.175 100.55,55.5 100.55,55.825 cw(c100.65,55.825) 100.65,55.925 cw(c100.65,55.825) 100.75,55.825 100.75,55.5 100.75,55.175 ccw(c100.85,55.175) 100.85,55.075 ccw(c100.85,55.175) 100.95,55.175 100.95,55.5 100.95,55.825 cw(c101.05,55.825) 101.05,55.925 cw(c101.05,55.825) 101.15,55.825 101.15,55.5 101.15,55.175 ccw(c101.25,55.175) 101.25,55.075 ccw(c101.25,55.175) 101.35,55.175 101.35,55.4 cw(c101.45,55.4) 101.45,55.5 102.75,55.5 U7.F2@103.1,55.85